# KiCad board mainboard_before_drastic.kicad_pcb (continued)
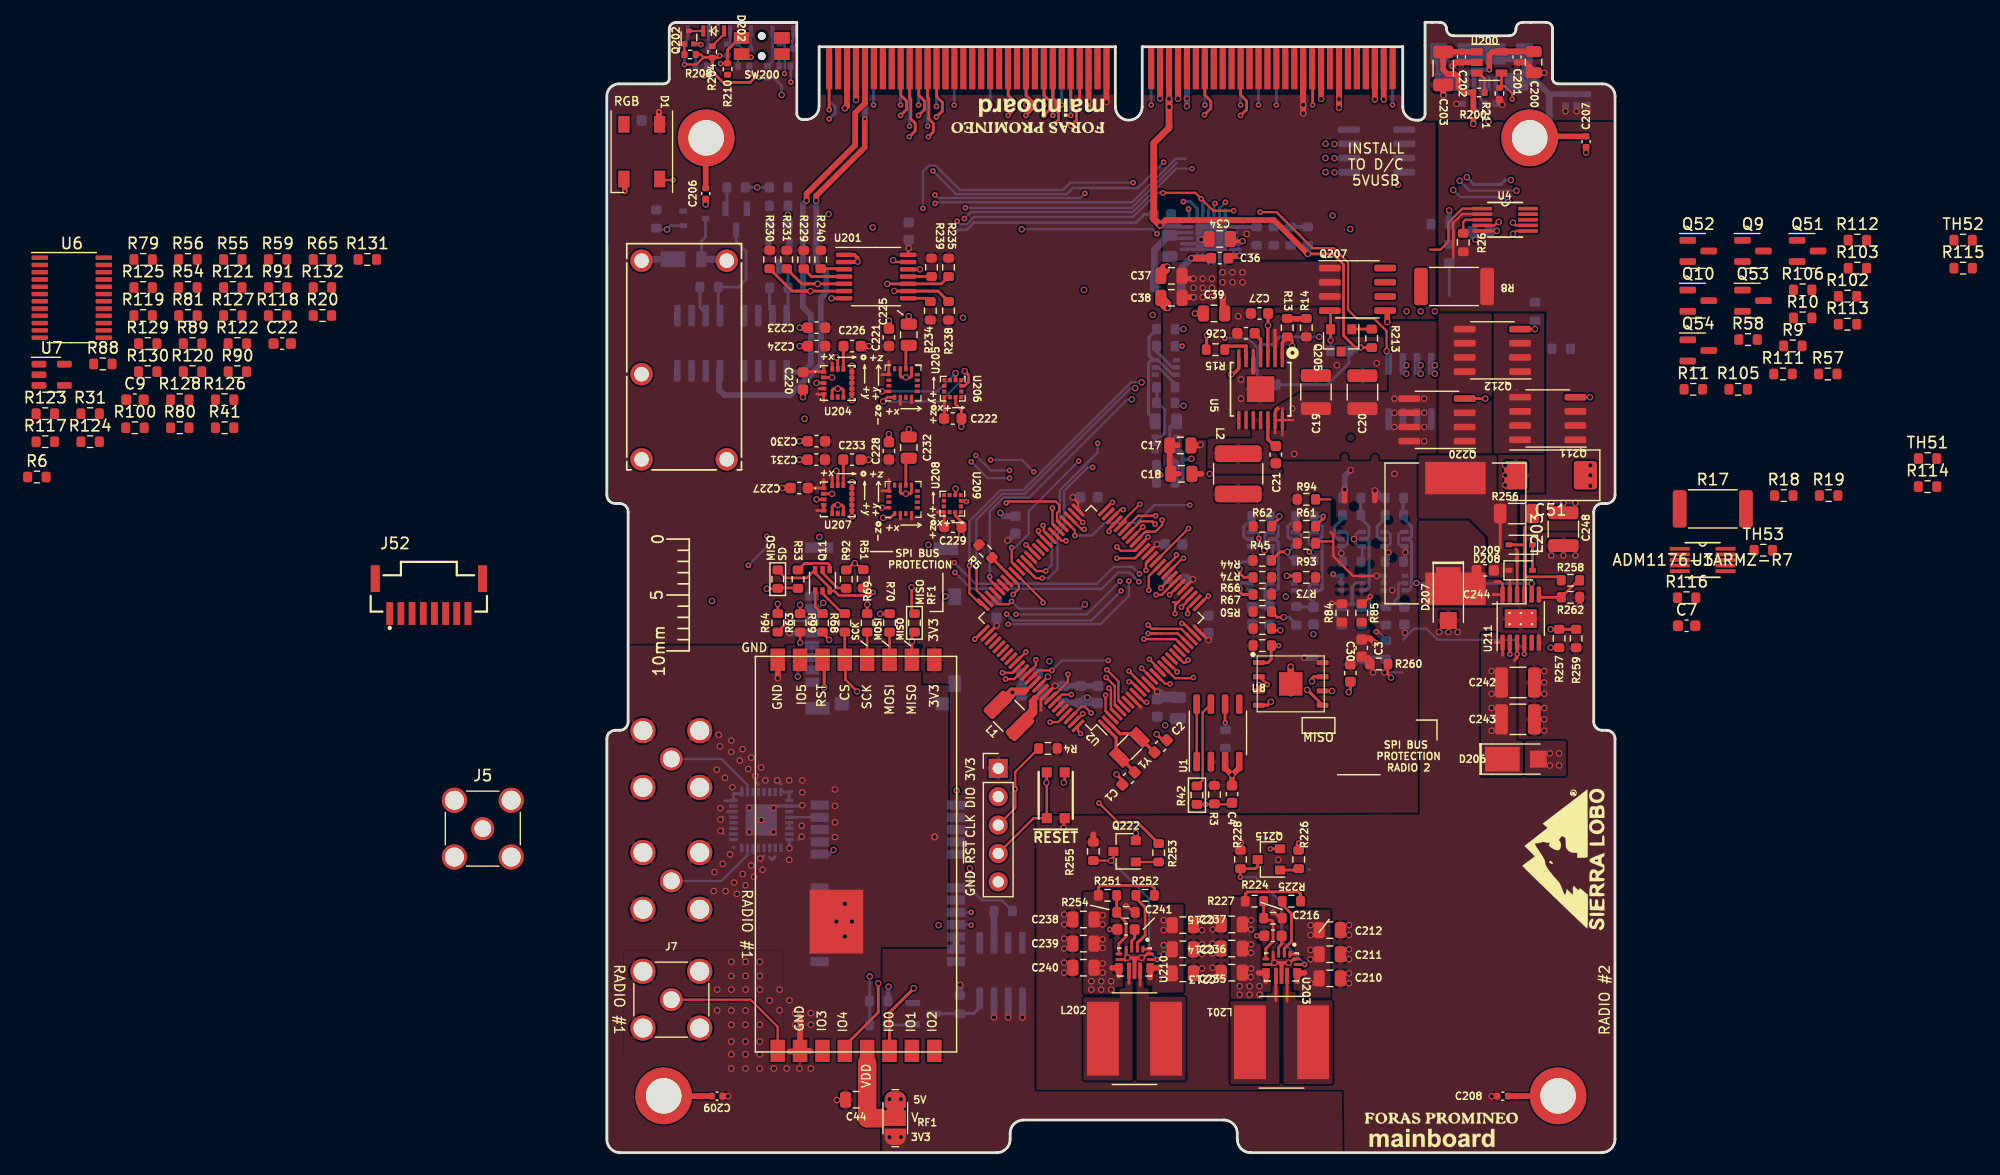
[diagram p0: board, top side]
## Routing (per net, layer and track width the routed paths; a pad name or vN(x,y) marks a point on that pad's centre or on a via; arc(x,y) is an arc through that point) (continued)
  Top w0.203: U2.59 38.5,55.51
  In2.Cu w0.203: 38.5,56.93 38.5,55.74 v3(38.6,55.64) ; 38.5,56.93 38.5,56.95 37.52,57.93 37.52,60.22 36.6,61.14 ; 38.5,56.93 38.5,56.81 ; 36.6,61.14 36.38,61.36 36.38,80.45 35.68,81.15 35.68,87.25 30.9,92.03 29.24,92.03 29,92.27 29,93.14 v3(29.48,93.62) ; 36.6,61.14 36.5,61.24
  Bottom w0.254: 29.48,96.56 P1.25 ; v3(29.48,93.62) 29.48,96.42
EN_PAYLOAD: length 31.2
  Top w0.203: v3(39.02,49.21) 39.02,49.36 36.52,51.86 U2.67 ; v3(44.02,31.28) 45.74,29.57 46.5,29.57
  Top w0.254: R253.2 47.45,29.57 45.8,29.57
  In2.Cu w0.203: v3(44.02,31.28) 44.02,40.97 41.06,43.94 41.06,47.18 v3(39.02,49.21)
EN_RF: length 14.3
  Top w0.203: U2.17 50.18,43.85 v3(51.01,43.03)
  Top w0.508: v3(61.88,27.69) R226.2
  In2.Cu w0.203: 59.39,34.52 58.5,34.52 51.01,42.01 v3(51.01,43.03)
ENAB_BURN1: length 75.6
  Top w0.203: v3(35.38,42.94) 36.29,42.94 U2.85
  In2.Cu w0.203: 13.44,54.11 13.44,54.11 13.44,55.38 ; 13.44,55.38 13.44,42.75 14.43,41.76 17.07,41.76 18.43,43.12 19.81,43.12 21.13,41.79 ; 13.44,55.38 v1(13.44,86.37) ; 21.54,41.38 22.18,40.74 33.18,40.74 v3(35.38,42.94) ; 21.54,41.38 21.13,41.79 ; 21.54,41.38 20.42,42.5 ; 21.13,41.79 20.78,42.14
  Bottom w0.254: R32.2 v1(13.44,86.37) R27.1
ENAB_BURN2: length 73.9
  Top w0.203: v3(35.66,42.37) 36.43,42.37 U2.86
  In2.Cu w0.203: v1(16.19,83.92) 14.3,82.03 v3(14.3,55.16) ; v3(35.66,42.37) 33.55,40.26 22.19,40.26 20.68,41.78 ; v3(12.65,52.55) 12.65,42.65 13.92,41.38 17.2,41.38 18.61,42.79 19.67,42.79 20.68,41.78 ; 20.68,41.78 20.29,42.17 ; 18.08,42.17 17.29,41.38
  Bottom w0.203: v3(14.3,55.16) 14.3,54.2 v3(12.65,52.55)
  Bottom w0.254: R28.1 v1(16.19,83.92) 16.19,83.12 R33.2
ENAB_GPS: length 44.8
  Top w0.203: v3(43.32,39.34) 42.75,39.92 42.43,39.92 41.44,38.92 U2.98
  In2.Cu w0.203: 28.19,16.06 23.8,16.06 v1(23.51,15.77) ; 28.19,16.06 29.31,16.06 33.99,20.74 37.35,20.74 43.32,26.71 v3(43.32,39.34) ; 28.19,16.06 29.12,16.06
  Bottom w0.272: v1(23.51,15.77) 23.51,11.47 23.46,11.42
FLASH_CS: length 17.3
  Top w0.203: U2.33 50.51,51.48 v3(49.55,50.52)
  Top w0.254: U8.1 59.13,43.85 ; R50.1 v3(60.09,45.38)
  Top w0.272: 59.13,43.85 59.41,44.13 59.41,45.12
  In2.Cu w0.203: v3(60.09,45.38) 58.94,45.38 53.86,50.46 52.53,50.46 51.99,51 50.02,51 v3(49.55,50.52)
FLASH_IO2: length 12.6
  Top w0.203: U8.3 58.32,41.88 v3(58.31,41.88) ; U2.28 52.28,49.7 v3(51.39,48.81)
  Top w0.272: 57.93,41.31 U8.3
  In2.Cu w0.203: v3(58.31,41.88) 58.31,42.14 52.79,47.66 51.83,47.66 51.39,48.11 v3(51.39,48.81)
FLASH_IO3: length 26.9
  Top w0.203: U2.29 51.14,49.31 ; 51.14,49.31 51.08,49.25 50.62,49.25 ; 51.14,49.31 50.82,48.98 v3(50.82,48.23)
  Top w0.272: U8.7 63.22,42.58 63.07,42.43 v1(63.07,42.17)
  In2.Cu w0.203: v3(50.82,48.23) 50.82,49.06 51.26,49.5 52.28,49.5 61.41,40.37 64.65,40.37 65.42,41.15 65.42,41.69 64.95,42.17 v1(63.07,42.17)
FLASH_MISO: length 15.3
  Top w0.203: U8.2 58.37,42.58 v3(59.07,41.88) ; U2.27 51.94,48.7 v3(51.94,48.23)
  Top w0.279: 58.62,42.58 U8.2
  In2.Cu w0.203: v3(51.94,48.23) 52.72,48.23 v3(59.07,41.88) 57.1,43.85
FLASH_MOSI: length 15.4
  Top w0.203: U2.26 53.01,49.03 v3(53.8,49.82)
  Top w0.272: U8.5 62.65,41.41 v1(62.64,41.41)
  In2.Cu w0.203: v1(62.64,41.41) 62.21,41.41 v3(53.8,49.82)
FLASH_SCK: length 23.5
  Top w0.203: v3(49.12,49.91) 49.62,49.91 U2.32 ; U8.6 v1(64.85,41.31)
  In2.Cu w0.203: v3(49.12,49.91) 49.63,49.91 50.39,50.67 51.75,50.67 61.71,40.7 64.24,40.7 v1(64.85,41.31)
GPS_PWR_IN: length 4.3
  Bottom w0.61: U14.23 U14.22 ; 34.62,21.76 34.62,18.55
MISO: length 110.9
  Top w0.203: v3(46.19,57.54) 45.94,57.54 U2.48
  Top w0.235: 27.26,48.2 27.26,50.58 v1(27.26,50.58) ; 15.28,52.11 15.96,51.43 17.89,51.43 Q11.6 18.63,51.85 19.93,50.55 Q11.3 20.34,50.27 20.76,49.85 22.1,49.85
  Top w0.254: 39.1,96.56 39.1,94.62 39.61,94.11 39.61,93.34 v3(39.08,92.81) ; 22.1,49.85 23.54,49.85 v3(23.83,50.14)
  In2.Cu w0.203: v3(39.08,92.81) 39.19,92.7 ; v3(39.08,92.81) 39.16,92.74 ; v3(39.08,92.81) 39.08,92.19 ; v3(39.08,92.81) 39.12,92.77 ; 61.55,38.2 59.41,38.2 51.85,45.76 51.26,45.76 50.75,46.27 ; 50.94,46.08 50.75,46.27 ; 50.75,46.27 v3(45.89,51.13) 46.56,51.8 46.56,57.17 v3(46.19,57.54) 45.09,57.54 39.7,62.93 39.7,88.94 39.08,89.56 39.08,92.19 ; 39.08,92.19 39.08,91.64 ; v3(36.59,48.17) 34.18,50.58 31.83,50.58 ; v3(23.83,50.14) 24.27,50.58 v1(27.26,50.58) ; 31.96,50.58 31.83,50.58 ; 31.83,50.58 v1(27.26,50.58) ; 27.22,50.54 v1(27.26,50.58)
  Bottom w0.203: v3(36.59,48.17) 42.93,48.17 v3(45.89,51.13)
MISO_RF1: length 11
  Top w0.235: 19.28,46.62 19.28,46.49 v1(19.89,45.89) ; U23.10 v1(27.28,45.76) 27.28,46.39 27.51,46.62
  In2.Cu w0.203: v1(19.89,45.89) 20.02,45.76 v1(27.28,45.76)
MISO_SD: length 13.8
  Top w0.235: 17.28,50.53 15.28,50.53 15.21,50.46 v1(14.3,50.46)
  In2.Cu w0.203: v1(17.08,42.6) 14.3,45.38 v1(14.3,50.46)
  Bottom w0.235: J1.7 17.26,43.2 17.08,43.02 v1(17.08,42.6)
MOSI: length 118.9
  Top w0.203: U2.46 45.91,56.27 v3(47.67,58.02)
  Top w0.235: 25.28,48.2 24.46,48.2 v1(24.44,48.22) ; 15.28,48.2 15.28,49.1 v1(15.28,49.1)
  In2.Cu w0.203: v3(40.68,93.75) 40.68,90.18 41.04,89.83 41.04,64.65 v3(47.67,58.02) 46.98,57.34 46.98,51.45 v3(46.69,51.16) 46.76,51.09 46.76,50.84 51.39,46.2 51.89,46.2 58.8,39.29 64.77,39.29 ; 64.77,39.29 61.92,39.29 ; 64.77,39.29 65.85,39.29 68.28,36.87 ; v3(35.89,47.28) 35.77,47.28 34.83,48.22 v1(24.44,48.22) 23.62,47.41 17.8,47.41 16.1,49.1 v1(15.28,49.1)
  Bottom w0.203: v3(35.89,47.28) 44.15,47.28 46.69,49.82 v3(46.69,51.16)
  Bottom w0.254: v3(40.68,93.75) 40.68,96.55
  Bottom w0.272: 40.66,96.53 P1.53
MOSI_RF1: length 2.5
  Top w0.235: 25.28,46.62 U23.11
MOSI_SD: length 3.6
  Top w0.235: v1(16.08,47.54) 16.08,47.42 15.28,46.62
  Bottom w0.235: v1(16.08,47.54) 16.15,47.6 J1.3
PA19: length 52
  Top w0.203: v3(35.72,58.14) 35.84,58.27 40.15,58.27 40.46,57.95 40.46,57.44 40.26,57.24 40.26,56.57 U2.55
  Top w0.254: 27.9,96.56 27.9,94.62 28.41,94.11 28.41,93.34 v3(27.88,92.81)
  In2.Cu w0.203: v3(35.72,58.14) 35.26,58.59 ; 35.26,58.59 34.81,59.04 34.81,79.86 34.72,79.95 ; 35.26,58.59 34.83,59.03 ; 34.72,79.95 34.83,79.84 ; 34.72,79.95 34.62,80.05 34.62,86.65 31.3,89.98 28.25,89.98 27.88,90.35 v3(27.88,92.81)
  In2.Cu w0.254: v3(27.88,92.81) 27.97,92.72
  In4.Cu w0.203: v3(27.88,92.81) 28.01,92.68
PB16: length 52.1
  Top w0.203: v3(39.26,52.04) 38.42,52.04 U2.64 37.55,52.86
  In2.Cu w0.203: v3(41.49,92.81) 41.98,92.33 41.98,91.49 ; v3(43.89,63.47) 41.98,65.39 41.98,91.49 ; 41.98,91.49 41.98,91.21
  Bottom w0.203: v3(43.89,63.47) 43.89,62.67 40.52,59.29 40.52,56.05 39.79,55.33 39.79,52.57 v3(39.26,52.04)
  Bottom w0.254: 41.5,96.56 41.5,94.47 41.5,94.67 ; v3(41.49,92.81) 41.48,92.82 P1.55
PB17: length 57.2
  Top w0.203: U2.65 37.2,52.49 ; U2.65 38.35,51.41 v3(38.94,51.41) ; U2.65 38.23,51.54 ; 40.38,93.04 40.13,93.29 40.13,94.1 39.88,94.34 39.88,94.83
  Top w0.254: v3(40.02,92.05) 40.4,92.43 40.4,93.06 40.14,93.32 40.14,94.12 39.88,94.38 P1.52 39.88,94.47
  In2.Cu w0.203: v3(40.02,92.05) 40.02,90.14 40.59,89.57 40.59,64.17 v3(43.45,61.32)
  Bottom w0.203: v3(43.45,61.32) 43,61.32 40.91,59.22 40.91,55.98 40.31,55.38 40.31,52.2 39.51,51.41 v3(38.94,51.41)
PB18: length 56.1
  Top w0.203: 36.37,52.68 U2.66 36.21,52.84 v3(36.21,54.14)
  In2.Cu w0.203: v3(39.89,92.81) 39.54,92.46 39.54,89.87 40.15,89.26 40.15,63.94 v3(42.2,61.88)
  Bottom w0.203: v3(39.89,92.81) 39.9,92.82 39.9,94.47 ; v3(42.2,61.88) 37.73,57.42 37.73,55.36 36.51,54.14 v3(36.21,54.14)
  Bottom w0.254: 39.9,94.67 39.9,94.47 39.9,96.56 ; v3(39.89,92.81) 39.88,92.82 P1.51 39.9,96.55 39.9,93.64
PC03: length 67.6
  Top w0.203: U2.6 45.76,40.47 45.76,42.18 v3(44.72,43.22) ; 28.69,90.84 v3(28.76,90.9)
  Top w0.254: v3(28.76,90.9) 29.2,91.35 29.2,92.1 28.79,92.51 28.79,94.35 28.68,94.46 P1.24
  In2.Cu w0.203: 35.47,80.66 35.28,80.85 35.28,87.18 31.56,90.9 v3(28.76,90.9) ; 35.47,80.63 35.49,80.62 35.49,60.11 36.53,59.07 36.53,57.21 35.28,55.97 35.28,54.26 38.76,50.79 39.76,50.79 43.64,46.91 43.64,44.3 v3(44.72,43.22)
PC05: length 71.3
  Top w0.203: v3(48.02,45.95) 50.88,45.95 U2.21
  In2.Cu w0.203: 25.78,92.38 25.78,89.15 ; 25.78,92.38 25.78,89.01 26.47,88.33 29.96,88.33 32.59,85.7 32.59,63.6 32.34,63.35 32.34,62.08 v3(32.59,61.82) ; 25.78,92.38 25.78,93.27 v3(26.27,93.75) ; v3(48.02,45.95) 46.67,45.95 37.68,54.93 37.68,56.83 36.86,57.66 36.86,59.52 v3(36.02,60.36)
  Bottom w0.203: v3(36.02,60.36) 34.05,60.36 v3(32.59,61.82)
  Bottom w0.254: P1.17 26.27,96.55 v3(26.27,93.75)
PC06: length 70.3
  Top w0.203: U2.22 51.45,46.09 51.44,46.09 51.07,46.46 49.23,46.46 ; 49.23,46.46 48.59,46.46 ; 49.23,46.46 v3(48.4,46.46)
  Top w0.254: P1.18 26.28,94.62 26.8,94.11 26.8,93.34 v3(26.27,92.81)
  In2.Cu w0.203: 26.23,91.27 26.23,92.77 v3(26.27,92.81) ; 26.23,91.27 26.23,89.33 26.9,88.66 28.68,88.66 ; 26.23,91.27 26.23,89.71 ; v3(36.01,61.05) 37.19,59.87 37.19,57.79 38.01,56.97 38.01,55.19 46.75,46.46 v3(48.4,46.46) ; 28.12,88.66 28.68,88.66 ; 28.68,88.66 30.33,88.66 33,85.99 v3(33,62.4)
  Bottom w0.203: v3(33,62.4) 34.34,61.05 v3(36.01,61.05)
PC07: length 67.4
  Top w0.203: 49.19,46.88 48.89,46.88 ; 49.19,46.88 48.74,46.88 v3(48.4,47.22) ; 49.19,46.88 51.37,46.88 U2.23
  In2.Cu w0.203: v3(27.88,93.75) 27.4,93.27 27.4,92.26 27.55,92.1 27.55,90.02 27.92,89.65 30.99,89.65 34.24,86.4 34.24,62.08 v3(34.33,61.99) ; v3(38.18,60.93) 38.18,58.2 39.54,56.84 39.54,54.24 46.56,47.22 v3(48.4,47.22)
  Bottom w0.203: v3(38.18,60.93) 37.12,61.99 v3(34.33,61.99)
  Bottom w0.254: v3(27.88,93.75) 27.88,96.55
PC10: length 55.7
  Top w0.203: 47.37,53.31 U2.40 47.24,53.19 v3(45.61,53.19)
  In2.Cu w0.203: v3(45.61,53.19) 41.63,53.19 40.57,54.25 ; v3(31.07,93.74) 31.07,92.8 36.46,87.4 36.46,82.02 37.3,81.18 37.3,62.53 38.98,60.85 38.98,57.87 39.87,56.98 39.87,54.95 40.57,54.25 ; 40.57,54.25 40.8,54.01
  Bottom w0.254: v3(31.07,93.74) 31.07,96.53
PC11: length 52
  Top w0.203: v3(48.4,55.09) 47.68,54.36 U2.41 47.21,53.86 45.95,53.86 v3(45.61,54.2)
  Top w0.254: v3(41.49,91.87) 42,92.38 42,93.06 41.48,93.57 P1.56 41.48,94.43
  In2.Cu w0.203: 45.99,60.55 46.18,60.36 ; 45.99,60.55 45.86,60.68 ; 45.99,60.55 45.82,60.72 ; 46.18,60.36 41.49,65.05 v3(41.49,91.87) ; 46.18,60.36 48.15,58.39 48.15,56.93 47.45,56.23 47.45,55.34 47.71,55.09 v3(48.4,55.09)
RF1_ANT: length 12.7
  Top w0.203: U23.1 15.28,11.26 12.85,13.69 J7.1
RF1_CS: length 31.3
  Top w0.203: R5.2 35.24,52.45 35.24,52.4 ; U2.68 36.85,50.8 36.85,50.46 v3(36.34,49.95)
  Top w0.235: 21.34,44.05 21.34,42.32 v1(22.39,41.27) ; 21.28,46.62 U23.13
  Top w0.254: U2.68 34.75,52.89
  In2.Cu w0.203: v1(22.39,41.27) 31.49,41.27 37.12,46.9 37.12,49.17 v3(36.34,49.95)
RF1_IO0: length 46
  Top w0.203: U2.10 46.91,42.14 v3(46.69,42.14)
  Top w0.272: U23.6 25.28,12.54 v2(27.45,14.71)
  In2.Cu w0.203: 27.47,14.71 v2(27.45,14.71) 28.84,14.71 34.48,20.34 37.88,20.34 43.82,26.27 43.82,29.43 44.64,30.25 44.64,40.09 v3(46.69,42.14)
RF1_IO4: length 52
  Top w0.203: U2.9 48.05,40.3 v3(48.28,40.3) ; U2.9 47.3,41.02 ; U2.9 46.85,41.49
  Top w0.254: U23.4 21.28,9.56 24.27,12.55 v1(24.27,15.15)
  Top w0.272: 21.31,9.14 U23.4
  In2.Cu w0.203: v1(24.27,15.15) 24.56,15.44 25.5,15.44 26.81,14.14 28.91,14.14 34.59,19.82 38.08,19.82 44.27,26.01 44.27,29.25 44.97,29.95 44.97,39.03 46.24,40.3 v3(48.28,40.3)
RF1_RST: length 25.5
  Top w0.203: 41.07,39.25 U2.97 40.35,38.52 v3(39.64,38.52)
  Top w0.279: 19.28,43.83 19.44,43.68 v1(19.44,41.61)
  In2.Cu w0.203: v3(39.64,38.52) 38.83,39.33 21.72,39.33 v1(19.44,41.61)
RF2_CS: length 26.8
  Top w0.203: v3(52.47,42.52) 52.4,42.46 50.82,42.46 50.27,43 50.27,43.02 U2.16
  In2.Cu w0.203: 71.2,37.19 67.95,33.93 64.76,33.93 64.13,34.56 61,34.56 53.05,42.52 v3(52.47,42.52)
RF2_IO0: length 32.3
  Top w0.203: U2.13 v3(47.83,43.35)
  In2.Cu w0.203: 74.25,32.3 73.42,33.12 58.31,33.12 48.08,43.35 v3(47.83,43.35)
RF2_IO4: length 29.6
  Top w0.203: v3(50.37,41.95) 49.94,41.95 U2.14 49.15,42.79
  In2.Cu w0.203: 74.75,33.31 74.56,33.5 58.82,33.5 v3(50.37,41.95)
RF2_RST: length 37.8
  Top w0.203: v3(48.47,50.33) 48.47,51.58 U2.36
  In2.Cu w0.203: 72.85,46.08 72.28,46.65 68.09,46.65 67.71,46.27 67.71,41.31 66.12,39.73 58.94,39.73 52.02,46.65 51.45,46.65 48.47,49.63 v3(48.47,50.33)
RTS_MCU_3: length 52.6
  Top w0.203: v3(49.04,56.24) 48.78,56.49 47.72,56.49 U2.44
  In2.Cu w0.203: 48.61,58.85 48.61,59.52 48.02,60.11 48.02,61.44 43.32,66.14 43.32,87.56 48.71,92.95 52.68,92.95 v3(53.48,93.75) ; 48.61,58.85 48.61,59.23 ; 48.61,58.85 48.61,56.67 v3(49.04,56.24)
  Bottom w0.254: v3(53.48,93.75) 53.48,96.55
RTS_MCU_4: length 47.9
  Top w0.203: U2.58 39.08,55.63 39.08,56.06 v3(39.01,56.12)
  Top w0.254: 29.5,96.44 29.5,94.5 30.01,93.98 30.01,93.22 v3(29.48,92.68)
  In2.Cu w0.203: 39,56.8 39,56.14 v3(39.01,56.12) 39.01,56.9 37.85,58.07 37.85,60.36 36.87,61.34 36.87,80.89 36.07,81.69 36.07,87.33 30.71,92.68 v3(29.48,92.68) ; v3(29.48,92.68) 29.61,92.56 ; v3(29.48,92.68) 29.63,92.53
RX_MCU: length 24.9
  Top w0.203: U2.100 42.15,37.73 v3(42.37,37.5)
  In2.Cu w0.203: v3(32.59,21.5) 37.18,21.5 42.37,26.69 v3(42.37,37.5)
  Bottom w0.254: v3(32.59,21.5) 32.59,21.5 U14.20
RX_MCU_2: length 44.2
  Top w0.203: U2.52 v3(42.55,56.4)
  In2.Cu w0.203: v3(37.48,93.75) 37,93.27 37,92.84 ; 37,92.32 37,92.84 ; 37,92.84 37,89.23 38.43,87.8 38.43,62.8 42.55,58.68 v3(42.55,56.4)
  Bottom w0.254: v3(37.48,93.75) 37.48,96.55
  Bottom w0.272: 37.48,96.56 P1.45
RX_MCU_3: length 54.1
  Top w0.203: v3(49.67,56.62) 49.67,56.17 49.08,55.58 48.23,55.58 48.16,55.51 48.1,55.51 47.33,54.73 U2.42
  In2.Cu w0.203: v3(56.68,93.75) 55.22,92.29 49.32,92.29 44.4,87.38 44.4,66.4 48.73,62.06 48.73,60.69 49.67,59.75 v3(49.67,56.62)
  Bottom w0.254: v3(56.68,93.75) 56.68,96.55
RX_MCU_4: length 45.6
  Top w0.203: v3(39.85,57.68) 39.85,56.28 U2.56 40.38,55.75
  In2.Cu w0.203: 35.4,91.21 35.4,92.13 ; 35.4,92.13 35.4,91.66 ; 35.4,92.13 35.4,93.27 ; 35.4,91.66 35.4,91.08 ; 35.4,91.66 35.4,89.56 37.67,87.29 37.67,62.62 39.85,60.44 v3(39.85,57.68) ; v3(35.88,93.75) 35.4,93.27 ; 35.4,93.27 35.4,92.27
  Bottom w0.254: v3(35.88,93.75) 35.88,96.55
SCK: length 112.8
  Top w0.203: v3(44.91,55.59) 44.91,55.81 U2.47
  Top w0.235: v1(23.29,49.05) 23.28,49.04 23.28,48.2 ; v1(17.28,49.02) 17.28,49.02 17.28,48.2
  In2.Cu w0.203: 53.05,43.93 59.6,37.38 66.18,37.38 ; 53.05,43.93 52.81,44.17 ; 53.05,43.93 51.66,45.31 51.39,45.31 ; v1(23.29,49.05) 23.27,49.03 ; v1(23.29,49.05) 22.29,49.05 21.8,48.55 17.75,48.55 v1(17.28,49.02) 17.29,49.03 ; v1(23.29,49.05) 29.87,49.05 ; 51.39,45.31 51.13,45.31 46.18,50.27 v3(45.99,50.27) 45.41,50.85 45.41,51.04 ; 51.39,45.31 51.64,45.31 ; 45.41,51.04 45.41,51.4 46.18,52.17 46.18,54.71 45.3,55.59 v3(44.91,55.59) 44.91,57.25 39.26,62.9 39.26,88.62 38.6,89.28 38.6,92.91 ; 45.41,51.04 45.41,50.9 ; v3(35.76,48.2) 34.9,49.05 29.87,49.05 ; 38.6,92.91 38.6,92.27 ; 38.6,92.91 38.6,93.27 v3(39.08,93.75) ; 31.71,49.05 29.87,49.05
  Bottom w0.203: v3(45.99,50.27) 43.34,47.61 36.34,47.61 v3(35.76,48.2)
  Bottom w0.254: v3(39.08,93.75) 39.08,96.55
SCK_RF1: length 2.5
  Top w0.235: 23.28,46.62 U23.12
SCK_SD: length 2.2
  Top w0.235: v1(17.28,45.63) 17.28,46.62 17.28,46.62
  Bottom w0.235: v1(17.28,45.63) 18.13,45.63 J1.5
SCL: length 92.6
  Top w0.203: 49.84,52.21 U2.35 50.94,53.35 v3(50.94,53.51)
  Top w0.235: 59.41,53 60.17,53.75 60.99,53.75 ; v1(60.85,53.76) 60.21,53.76 R45.2
  In2.Cu w0.203: 47.81,63.96 48.22,63.55 ; 48.22,63.55 45.23,66.54 45.23,86.21 ; 48.22,63.55 50.94,60.83 v3(50.94,53.51) ; 65.64,56.56 65.64,56.5 63.55,54.42 61.51,54.42 v1(60.85,53.76) ; 55.95,52.1 56.34,51.71 57.22,51.71 57.74,52.24 57.74,53.89 58.31,54.46 60.15,54.46 v1(60.85,53.76) ; 55.95,52.1 55.38,52.68 51.32,52.68 50.94,53.06 v3(50.94,53.51) ; 55.95,52.1 55.87,52.18 ; v3(50.94,53.51) 50.94,53.31 ; 45.23,86.53 45.23,87.27 ; 45.23,86.53 45.23,86.21 ; 45.23,86.53 45.23,87.22 ; 45.23,87.27 45.23,86.21 ; 45.23,87.27 49.59,91.63 56.52,91.63 58.28,93.39 v3(58.28,93.75) ; v1(60.85,53.76) 61.23,54.14
  Bottom w0.235: 60.99,53.4 60.85,53.54 v1(60.85,53.76) 60.85,53.51 61.61,52.74 ; 60.99,53.4 61.65,52.74 ; 60.99,53.4 60.99,53.75 ; 65.84,52.74 65.69,52.89 v1(65.69,53.64) 65.68,53.65 Q15.1 66.03,54.25 66.26,54.49 66.26,55.31 66.03,55.55 Q15.3
  Bottom w0.254: Q7.3 61.82,55.55 62.06,55.31 62.06,54.5 61.82,54.25 Q7.1 60.99,53.76 v1(60.85,53.76) ; v3(58.28,93.75) 58.28,96.55
SCL_IMU: length 84.3
  Top w0.235: 59.41,48.43 59.92,47.92 v1(60.53,47.92)
  Top w0.254: U201.12 v1(28,79.05)
  In2.Cu w0.203: v3(62.82,53.76) 62.82,50.2 v1(60.53,47.92) 60.53,47.41 60.98,46.96 60.98,46.65 60.47,46.14 58.94,46.14 53.23,51.85 50.31,51.85 49.55,51.09 v3(47.58,51.09) ; v1(28,79.05) 29.73,77.32 29.73,62.46 33.05,59.14 33.05,53.84 v3(31.13,51.92) 31.51,52.3
  Bottom w0.203: 36.02,50.46 44.27,50.46 45.74,51.92 46.75,51.92 v3(47.58,51.09) ; 36.02,50.46 32.59,50.46 v3(31.13,51.92) ; 36.02,50.46 32.78,50.46 ; R97.1 63.26,53.32 v3(62.82,53.76) 62.89,53.76 Q7.6
  Bottom w0.235: 63.22,52.74 63.4,52.92 ; 61.67,47.26 61.01,47.92 v1(60.53,47.92) ; 63.4,54.24 Q7.6 63.04,54.25 62.8,54.49 62.8,55.31 63.04,55.55 Q7.4
SCL_PWR: length 100.6
  Top w0.203: 65.04,49.16 65.71,49.16 65.74,49.12 ; U4.6 81.31,82.48 v1(81.04,82.21)
  Top w0.235: 65.88,49.23 65.74,49.09 65.74,48.93
  In2.Cu w0.203: 65.04,52.08 65.63,52.08 ; 65.63,52.08 69.05,55.5 69.55,55.5 70.5,56.45 70.5,57.38 70.06,57.82 66.82,57.82 66.82,59.71 62.25,64.28 62.25,72.36 59.9,74.71 58.63,74.71 58.23,74.32 52.29,74.32 51.13,75.48 51.13,79.41 ; 65.63,52.08 64.85,52.08 ; 51.13,79.41 51.13,82.55 54.03,85.46 54.92,85.46 v3(55.33,85.05) 55.33,80.68 56.29,79.72 58.96,79.72 59.9,78.78 68.79,78.78 70.88,80.87 79.71,80.87 v1(81.04,82.21) ; 51.13,79.41 51.13,79.79 ; 51.13,81.17 51.13,79.1
  Bottom w0.203: 66.99,54.49 66.99,54.73 v1(66.82,54.9) 66.99,55.07 66.99,55.31 ; 65.26,47.95 64.85,48.36 v3(64.85,49.16) ; 65.26,47.95 65.74,47.47 ; 65.26,47.95 65.03,48.18
  Bottom w0.235: U17.5 54.8,84.53 v3(55.33,85.05) ; Q15.4 67.23,55.55 66.99,55.31 66.99,54.49 67.23,54.25 Q15.6 67.58,53.57 67.57,53.56 67.57,52.9 67.41,52.74 ; 65.74,47.51 65.38,47.51
SD_CS: length 33.3
  Top w0.203: 22.05,52.74 22.24,52.74 22.81,52.17 ; U2.87 38.37,43.61 v3(38.37,44.11)
  Top w0.235: 21.28,52.11 21.42,52.11 22.05,52.74
  In2.Cu w0.203: v3(38.37,44.11) 38.37,48.66 35.97,51.05 34.01,51.05 33.67,51.4 23.4,51.4 22.05,52.74 20.08,52.74 19.36,52.02 v1(19.36,49.19)
  Bottom w0.235: v1(19.36,49.19) 18.86,48.7 J1.2
  vias: v1(22.18,52.74)
SDA: length 93.2
  Top w0.203: 50.79,52.49 U2.34 51.48,53.19 v3(51.58,53.19)
  Top w0.235: 57.84,51.47 56.97,51.47 56.59,51.85 v1(56.59,52.24)
  In2.Cu w0.203: 45.61,86.46 45.61,86.14 ; 45.61,86.14 45.61,66.63 51.32,60.91 51.32,54.9 51.58,54.65 v3(51.58,53.19) 55.64,53.19 v1(56.59,52.24) ; 45.61,86.14 45.61,86.97 49.94,91.3 57.43,91.3 v3(59.88,93.75) ; v1(56.59,52.24) 56.59,53.95 57.61,54.97 v3(58.31,54.97) 63.32,54.97 65.36,57 65.44,57.08 65.94,57.08 66.99,56.03 69.31,56.03 69.9,56.62 ; v1(56.59,52.24) 56.09,52.74
  Bottom w0.235: v1(56.59,52.24) 56.59,52.62 56.85,52.87 57.71,52.87 57.48,53.1 ; 69.65,52.92 69.9,53.17 v1(69.9,53.7) 69.49,54.12 Q16.1 69.84,54.25 70.07,54.49 70.07,55.31 69.84,55.55 Q16.3
  Bottom w0.254: v3(59.88,93.75) 59.88,96.55 ; 57.88,55.55 Q8.3 58.13,55.55 58.31,55.37 58.31,54.46 58.1,54.25 Q8.1 57.88,54.25
SDA_IMU: length 88
  Top w0.203: v1(25.61,79.86) 25.77,79.7 U201.13
  Top w0.235: v1(60.23,46.74) 59.57,46.74 59.41,46.9
  In2.Cu w0.203: v3(31.07,52.81) 32.72,54.46 32.72,59.01 29.09,62.64 29.09,76.38 v1(25.61,79.86) ; 60.01,47.71 60.01,46.79 ; 60.01,47.71 60.01,46.96 v1(60.23,46.74) ; 60.01,47.71 60.01,52.69 v1(58.81,53.89) 58.81,52.61 57.55,51.35 56.09,51.35 55.13,52.3 50.18,52.3 49.35,51.47 47.96,51.47 v3(47.64,51.79) ; 47.7,51.92 47.58,51.92
  Bottom w0.203: 37.86,50.9 34.62,50.9 ; 37.86,50.9 39.64,50.9 ; 37.86,50.9 35.7,50.9 ; 40.02,50.9 32.97,50.9 v3(31.07,52.81) ; 40.02,50.9 39.64,50.9 ; 40.02,50.9 40.4,50.9 ; v3(47.64,51.79) 47.01,52.43 45.35,52.43 43.83,50.9 39.64,50.9
  Bottom w0.235: 59.29,52.74 59.57,53.03 59.57,54.13 Q8.6 ; 59.26,47.26 59.29,47.26 59.8,46.74 v1(60.23,46.74) ; Q8.6 59.17,54.25 v1(58.81,53.89) ; Q8.6 59.1,54.25 58.86,54.49 58.86,55.31 59.1,55.55 Q8.4
SDA_PWR: length 93.7
  Top w0.203: U4.7 81.29,82.98 v1(81.04,83.22) ; 67.52,49.12 67.64,49.12 68.15,49.63
  Top w0.235: 67.55,49.09 67.36,49.09
  In2.Cu w0.203: 51.59,78.98 51.59,76.48 52.28,75.79 59.45,75.79 63.15,72.1 63.15,66.13 71.41,57.86 71.41,56.64 69.55,54.78 69.55,53.95 68.28,52.68 ; 51.59,78.98 51.59,82.28 54.24,84.94 v3(54.39,84.94) 54.89,84.43 54.89,80.42 56.01,79.3 58.74,79.3 59.77,78.27 68.98,78.27 71.14,80.43 80.22,80.43 81.74,81.95 81.74,82.52 v1(81.04,83.22) ; 51.59,78.98 51.59,78.7
  Bottom w0.203: 68.23,49.68 68.23,47.71 68.47,47.47 69.67,47.47
  Bottom w0.235: U17.4 54.3,84.85 v3(54.39,84.94) ; Q16.4 71.04,55.55 70.8,55.31 70.8,54.49 71.04,54.25 Q16.6 71.41,54.22 v1(71.41,53.72) ; v1(71.41,53.72) 71.41,53.04 71.25,52.87 ; v1(71.41,53.72) 71.41,53.61 71.39,53.58
  vias: v3(68.28,49.76)
STAT: length 58.9
  Top w0.203: v3(49.74,85.89) 52.63,85.89 v3(53.16,85.36) 54.23,84.29 v3(56.06,84.29)
  Top w0.279: 55.6,81.32 55.6,81.34 55.83,81.57
  Top w0.3: v1(56.86,81.57) 55.83,81.57
  In2.Cu w0.203: v3(31.32,83.34) 31.24,83.41 31.24,85.12 29.71,86.65 21.54,86.65 16.46,91.73 v3(16.46,95.8) ; v3(56.06,84.29) 56.06,82.37 v1(56.86,81.57)
  Bottom w0.203: v3(31.32,83.34) 31.57,83.08 32.2,83.08 32.84,83.73 47.07,83.73 49.23,85.89 v3(49.74,85.89)
  Bottom w0.235: R209.2 16.44,95.82
  Bottom w0.254: U17.2 53.3,84.84
  Bottom w0.272: U17.2 53.3,85.22 v3(53.16,85.36)
  Bottom w0.3: v1(56.86,81.57) 56.62,81.33 U17.11
SWCLK: length 25.2
  Top w0.203: v3(41.23,42.8) 41.23,42.15 39.76,40.67 U2.93 ; R4.2 36.53,34.07 v3(36.53,32.55) 36.53,30.84 J2.3
  In2.Cu w0.203: v3(41.23,42.8) 41.04,42.6 41.04,34.05 39.54,32.55 v3(36.53,32.55)
SWDIO: length 17
  Top w0.203: v3(41.54,41) 40.71,41 U2.94
  In2.Cu w0.203: v3(41.54,41) 41.54,32.68 40.72,31.85 J2.2
THM: length 7.3
  Bottom w0.338: U17.7 57.08,83.33 57.29,83.54 59.45,83.54 59.64,83.35 R46.2 R34.2
TX_MCU: length 28.1
  Top w0.203: U2.99 41.83,38.55 v3(42.56,39.28)
  In2.Cu w0.203: v3(42.56,39.28) 42.94,38.9 42.94,26.8 37.26,21.12 33.35,21.12 v3(32.59,20.36)
  Bottom w0.254: v3(32.59,20.36) 32.55,20.4 U14.21
TX_MCU_2: length 45.9
  Top w0.203: v3(42.7,55.79) 42.46,55.79 U2.53
  Top w0.254: v3(37.48,92.81) 38.01,93.34 38.01,94.11 37.5,94.62 37.5,96.56
  In2.Cu w0.203: v3(42.7,55.79) 43.11,56.2 43.11,58.59 38.88,62.82 38.88,88.3 37.48,89.7 v3(37.48,92.81) 37.48,92.31
TX_MCU_3: length 55.5
  Top w0.203: U2.43 47.92,55.99 v3(47.94,55.99)
  Top w0.254: P1.86 56.68,94.64 57.22,94.11 57.22,93.34 v3(56.68,92.81)
  In2.Cu w0.203: v3(56.68,92.81) 55.83,91.96 49.45,91.96 44.78,87.29 44.78,66.52 50.16,61.15 50.16,56.38 49.51,55.74 48.19,55.74 v3(47.94,55.99)
TX_MCU_4: length 46.5
  Top w0.203: U2.57 40.67,54.75 v3(41.06,54.75)
  Top w0.254: v3(35.88,92.81) 36.41,93.34 36.41,94.11 35.9,94.62 35.9,96.56
  In2.Cu w0.203: v3(35.88,92.81) 35.93,92.76 ; v3(35.88,92.81) 35.99,92.7 ; v3(35.88,92.81) 35.88,92.29 ; v3(41.06,54.75) 41.06,59.7 38.05,62.71 38.05,87.54 35.88,89.71 35.88,92.29 ; 35.88,92.29 35.88,91.73
USB_D+: length 94
  Top w0.203: U2.75 33.45,49.03 32.43,50.05 v3(32.43,52.54)
  In2.Cu w0.203: 78.83,92.25 v1(78.86,92.28) 78.86,84.61 77.4,83.15 71.12,83.15 67.38,79.41 61.68,79.41 55.08,86 52.33,86 52.15,85.83 52.15,84.57 v3(52.02,84.44) 51.89,84.44 51.39,83.95 48.75,83.95 47.55,82.75 47.55,69.22 v1(47.83,68.94)
  In2.Cu w0.272: 51.93,84.44 v3(52.02,84.44)
  Bottom w0.203: v1(47.83,68.94) 46.89,68.94 37.24,59.28 35.21,59.28 32.43,56.51 v3(32.43,52.54) ; v1(78.86,92.28) 78.86,93.54 Z200.1 78.21,94.18 J200.3
  Bottom w0.254: v1(78.86,92.28) 78.86,92.15
  Bottom w0.272: v3(52.02,84.44) 52.05,84.41 U17.24
  Bottom w0.279: 52.3,83.33 U17.24 52.27,83.33 52.28,83.32
USB_D-: length 92.8
  Top w0.203: v3(33.07,52.53) 33.07,50.33 U2.74
  In2.Cu w0.203: v1(78.31,92.88) 78.31,92.06 78.53,91.85 78.53,84.74 77.27,83.48 70.98,83.48 67.24,79.74 61.86,79.74 55.25,86.36 52.07,86.36 51.56,85.85 v3(51.56,85.1) 49.26,85.1 46.97,82.81 46.97,68.71 v1(47.26,68.41)
  Bottom w0.203: v1(47.26,68.41) 46.85,68.41 37.38,58.95 35.35,58.95 33.07,56.67 v3(33.07,52.53) ; v1(78.31,92.88) 77.52,93.67 Z201.1 77.56,93.89 J200.2
  Bottom w0.272: v3(51.56,85.1) 52.18,85.1 52.8,84.48 U17.1
VBURN1: length 42.8
  Top w0.508: v1(18.73,85.19) 18.73,85.62 23.07,89.96 v3(23.07,92.49)
  Bottom w0.508: v3(23.07,92.49) 23.08,92.51 P1.9 23.08,94.31 ; 10.04,69.96 10.04,68.25 10.49,67.79 16.4,67.79 19.13,70.52 19.13,76.49 19.64,77 19.64,78.71 18.73,79.63 v1(18.73,85.19)
VBURN2: length 30.9
  Top w0.508: v1(17.86,85.19) 17.86,85.81 22.21,90.17 22.21,93.04 23.08,93.92 P1.10
  Bottom w0.508: v1(17.86,85.19) 17.54,84.87 17.54,75.67 18.24,74.97 18.24,70.59 17.52,69.86 16.23,69.86
VCHRG: length 52.9
  Top w0.203: 73.61,80.81 74.56,80.81 75.26,81.51 75.26,83.22 76.52,84.48 U4.1
  Top w0.254: 81.36,54.39 D209.2 82.06,54.39 82.06,54.4 ; R258.1 85.05,51.53 82.06,51.53 ; 82.06,54.4 82.06,55.97 ; 82.06,54.4 82.06,51.53 ; 82.06,51.53 U211.9
  Top w0.508: Q207.5 69.8,75.16 v1(69.8,74.33)
  In2.Cu w0.203: 70.25,53.25 70.25,54.01 ; 70.25,54.01 70.25,54.65 71.94,56.34 71.94,57.85 64.39,65.39 64.39,70.47 68.25,74.33 v1(69.8,74.33) ; 70.25,54.01 70.25,50.97 68.82,49.54
  vias: v1(87.96,61.51) v1(87.96,60.62) v1(87.96,59.66)
